# KiCad board Eclipse65.kicad_pcb (continued)
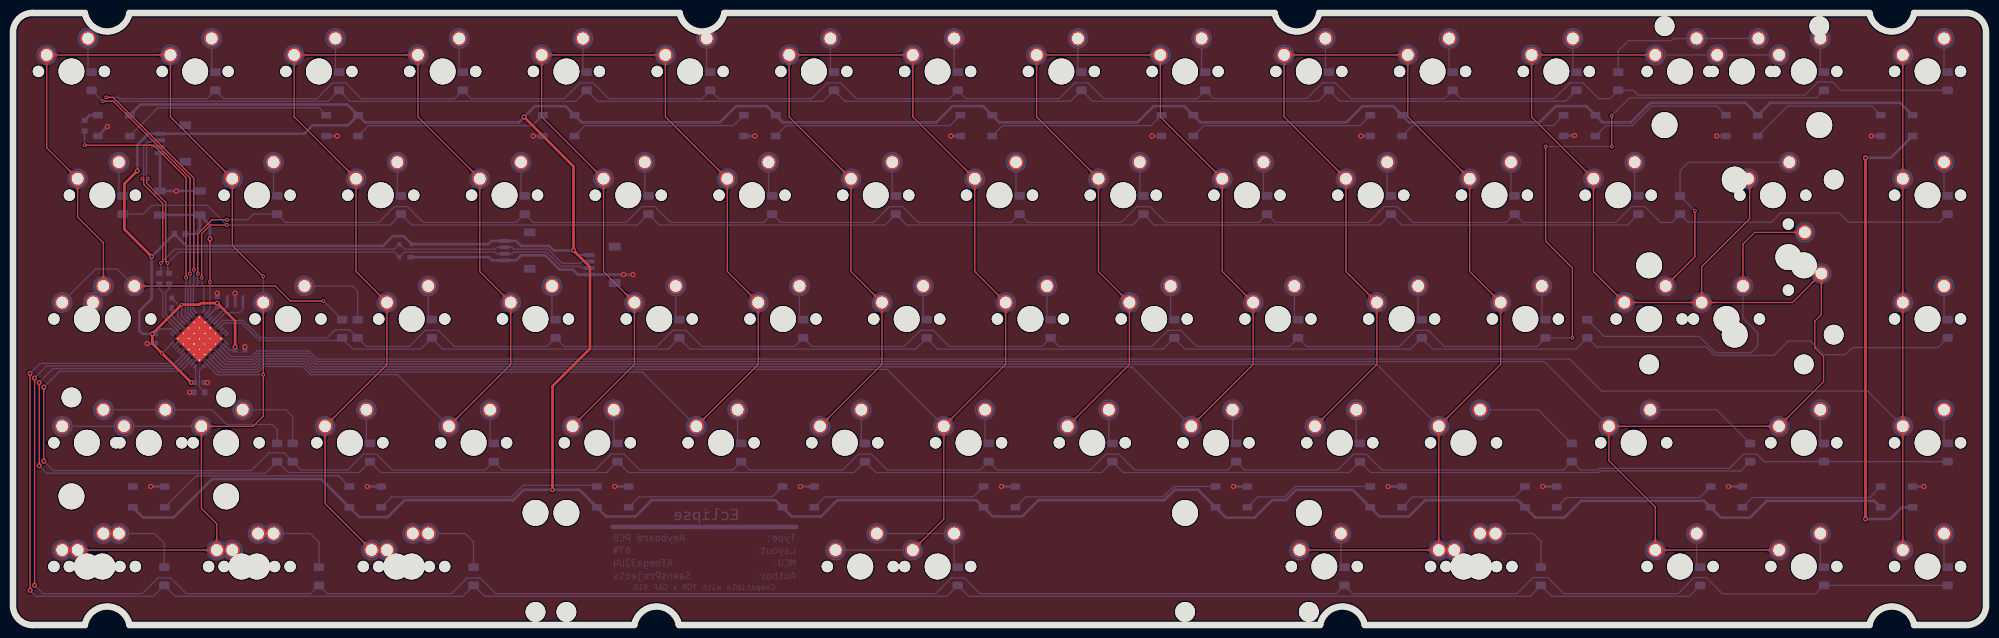
[diagram p0: board, top side]
## Copper pours and planes (outline as drawn; the poured copper is in the pictures) (continued)
R5 on Bottom: 122.55,43.43 122.2,44.4 121.42,44.41 121.44,43.63 122.41,43.29
R5 on Bottom: 120.87,43.29 121.83,43.63 121.85,44.41 121.07,44.4 120.72,43.43
R5 on Bottom: 84.45,43.43 84.1,44.4 83.32,44.41 83.34,43.63 84.31,43.29
R5 on Bottom: 82.77,43.29 83.73,43.63 83.75,44.41 82.97,44.4 82.62,43.43
R5 on Bottom: 53.97,43.43 53.62,44.4 52.84,44.41 52.86,43.63 53.82,43.29
R5 on Bottom: 52.14,44.97 52.49,44 53.27,43.99 53.25,44.77 52.28,45.11
R5 on Bottom: 237.13,44.3 236.2,44.74 235.64,44.2 236.2,43.66 237.13,44.1
R5 on Bottom: 278.03,81.39 279,81.73 279.01,82.51 278.23,82.5 277.89,81.53
R6 on Bottom: 39.9,24.24 40.87,24.58 40.89,25.36 40.11,25.35 39.76,24.38
R6 on Bottom: 266.67,24.24 267.64,24.58 267.66,25.36 266.88,25.35 266.53,24.38
R6 on Bottom: 208.27,24.38 207.93,25.35 207.15,25.36 207.16,24.58 208.13,24.24
R6 on Bottom: 206.59,24.24 207.56,24.58 207.57,25.36 206.79,25.35 206.45,24.38
R6 on Bottom: 168.49,24.24 169.46,24.58 169.47,25.36 168.69,25.35 168.35,24.38
R6 on Bottom: 130.39,24.24 131.36,24.58 131.37,25.36 130.59,25.35 130.25,24.38
R6 on Bottom: 170.17,24.38 169.83,25.35 169.05,25.36 169.06,24.58 170.03,24.24
R6 on Bottom: 132.07,24.38 131.73,25.35 130.95,25.36 130.96,24.58 131.93,24.24
R6 on Bottom: 93.97,24.38 93.63,25.35 92.85,25.36 92.86,24.58 93.83,24.24
R6 on Bottom: 92.29,24.24 93.26,24.58 93.27,25.36 92.49,25.35 92.15,24.38
R6 on Bottom: 54.19,24.24 55.16,24.58 55.17,25.36 54.39,25.35 54.05,24.38
R6 on Bottom: 41.59,24.38 41.24,25.35 40.46,25.36 40.48,24.58 41.44,24.24
R6 on Bottom: 55.87,24.38 55.53,25.35 54.75,25.36 54.76,24.58 55.73,24.24
R7 on Bottom: 279.99,25.25 279.06,25.69 278.5,25.15 279.06,24.61 279.99,25.05
R7 on Bottom: 296.66,25.05 297.59,24.61 298.15,25.15 297.59,25.69 296.66,25.25
R7 on Bottom: 42.14,25.92 42.49,24.95 43.27,24.94 43.25,25.72 42.28,26.06
R7 on Bottom: 277.61,25.05 278.54,24.61 279.1,25.15 278.54,25.69 277.61,25.25
R7 on Bottom: 240.89,24.38 240.55,25.35 239.77,25.36 239.78,24.58 240.75,24.24
R7 on Bottom: 239.21,24.24 240.18,24.58 240.19,25.36 239.41,25.35 239.07,24.38
R7 on Bottom: 189.22,24.38 188.88,25.35 188.1,25.36 188.11,24.58 189.08,24.24
R7 on Bottom: 151.12,24.38 150.78,25.35 150,25.36 150.01,24.58 150.98,24.24
R7 on Bottom: 113.02,24.38 112.68,25.35 111.9,25.36 111.91,24.58 112.88,24.24
R7 on Bottom: 187.54,24.24 188.51,24.58 188.52,25.36 187.74,25.35 187.4,24.38
R7 on Bottom: 149.44,24.24 150.41,24.58 150.42,25.36 149.64,25.35 149.3,24.38
R7 on Bottom: 111.34,24.24 112.31,24.58 112.32,25.36 111.54,25.35 111.2,24.38
R7 on Bottom: 74.92,24.38 74.58,25.35 73.8,25.36 73.81,24.58 74.78,24.24
R7 on Bottom: 73.24,24.24 74.21,24.58 74.22,25.36 73.44,25.35 73.1,24.38
R7 on Bottom: 43.97,24.38 43.62,25.35 42.84,25.36 42.86,24.58 43.83,24.24
R8 on Bottom: 146.36,5.33 146.02,6.3 145.24,6.31 145.25,5.53 146.22,5.19
R8 on Bottom: 234.45,5.19 235.42,5.53 235.43,6.31 234.65,6.3 234.31,5.33
R8 on Bottom: 236.13,5.33 235.79,6.3 235.01,6.31 235.02,5.53 235.99,5.19
R8 on Bottom: 258.98,5.19 259.95,5.53 259.96,6.31 259.18,6.3 258.84,5.33
R8 on Bottom: 22.52,5.19 23.48,5.53 23.5,6.31 22.72,6.3 22.38,5.33
R8 on Bottom: 71.82,5.33 71.48,6.3 70.7,6.31 70.72,5.53 71.68,5.19
R8 on Bottom: 144.68,5.19 145.65,5.53 145.66,6.31 144.88,6.3 144.54,5.33
R8 on Bottom: 70.14,5.19 71.11,5.53 71.12,6.31 70.35,6.3 70,5.33
R8 on Bottom: 24.2,5.33 23.85,6.3 23.08,6.31 23.09,5.53 24.06,5.19
R9 on Bottom: 205.89,5.33 205.55,6.3 204.77,6.31 204.78,5.53 205.75,5.19
R9 on Bottom: 278.03,5.19 279,5.53 279.01,6.31 278.23,6.3 277.89,5.33
R9 on Bottom: 279.99,6.2 279.06,6.64 278.5,6.1 279.06,5.56 279.99,6
R9 on Bottom: 296.66,6 297.59,5.56 298.15,6.1 297.59,6.64 296.66,6.2
R9 on Bottom: 48.01,5.33 47.67,6.3 46.89,6.31 46.9,5.53 47.87,5.19
R9 on Bottom: 204.21,5.19 205.18,5.53 205.19,6.31 204.41,6.3 204.07,5.33
R9 on Bottom: 46.33,5.19 47.3,5.53 47.31,6.31 46.53,6.3 46.19,5.33
RGB on Bottom: 12.09,78.27 12.86,78.02 13.33,78.47 12.86,78.92 12.09,78.67
Net-(D1-Pad2) on Bottom: 11.64,87.09 11.64,87.23 11.65,87.35 11.66,87.47 11.68,87.58 11.7,87.69 11.73,87.78 11.76,87.87 11.79,87.96 11.83,88.04 11.86,88.11 11.91,88.18 11.95,88.25 12,88.32 12.05,88.38 12.1,88.44 12.16,88.5 12.45,88.81 12.51,88.88 12.57,88.95 12.63,89.02 12.69,89.1 12.75,89.19 12.81,89.27 12.87,89.37 12.92,89.47 12.98,89.58 11.54,91.08 10.1,89.58 10.16,89.47 10.21,89.37 10.27,89.27 10.33,89.19 10.39,89.1 10.45,89.02 10.51,88.95 10.57,88.88 10.63,88.81 10.92,88.5 10.98,88.44 11.03,88.38 11.08,88.32 11.13,88.25 11.17,88.18 11.22,88.11 11.25,88.04 11.29,87.96 11.32,87.87 11.35,87.78 11.38,87.69 11.4,87.58 11.42,87.47 11.43,87.35 11.44,87.23 11.44,87.09
Net-(D1-Pad2) on Bottom: 11.64,87.89 11.64,87.99 11.65,88.09 11.66,88.18 11.67,88.26 11.68,88.34 11.7,88.41 11.72,88.48 11.75,88.54 11.77,88.6 11.8,88.65 11.83,88.71 11.87,88.76 11.9,88.81 11.94,88.86 12.32,89.28 12.36,89.34 12.41,89.4 12.45,89.46 12.49,89.53 12.54,89.6 12.58,89.68 12.62,89.76 11.54,90.88 10.46,89.76 10.5,89.68 10.54,89.6 10.59,89.53 10.63,89.46 10.67,89.4 10.72,89.34 10.76,89.28 11.14,88.86 11.18,88.81 11.21,88.76 11.25,88.71 11.28,88.65 11.31,88.6 11.33,88.54 11.36,88.48 11.38,88.41 11.4,88.34 11.41,88.26 11.42,88.18 11.43,88.09 11.44,87.99 11.44,87.89
Net-(D2-Pad2) on Bottom: 30.69,87.09 30.69,87.23 30.7,87.35 30.71,87.47 30.73,87.58 30.75,87.69 30.78,87.78 30.81,87.87 30.84,87.96 30.88,88.04 30.91,88.11 30.96,88.18 31,88.25 31.05,88.32 31.1,88.38 31.15,88.44 31.21,88.5 31.5,88.81 31.56,88.88 31.62,88.95 31.68,89.02 31.74,89.1 31.8,89.19 31.86,89.27 31.92,89.37 31.97,89.47 32.03,89.58 30.59,91.08 29.15,89.58 29.21,89.47 29.26,89.37 29.32,89.27 29.38,89.19 29.44,89.1 29.5,89.02 29.56,88.95 29.62,88.88 29.68,88.81 29.97,88.5 30.03,88.44 30.08,88.38 30.13,88.32 30.18,88.25 30.22,88.18 30.27,88.11 30.3,88.04 30.34,87.96 30.37,87.87 30.4,87.78 30.43,87.69 30.45,87.58 30.47,87.47 30.48,87.35 30.49,87.23 30.49,87.09
Net-(D2-Pad2) on Bottom: 30.69,87.89 30.69,87.99 30.7,88.09 30.71,88.18 30.72,88.26 30.73,88.34 30.75,88.41 30.77,88.48 30.8,88.54 30.82,88.6 30.85,88.65 30.88,88.71 30.92,88.76 30.95,88.81 30.99,88.86 31.37,89.28 31.41,89.34 31.46,89.4 31.5,89.46 31.54,89.53 31.59,89.6 31.63,89.68 31.67,89.76 30.59,90.88 29.51,89.76 29.55,89.68 29.59,89.6 29.64,89.53 29.68,89.46 29.72,89.4 29.77,89.34 29.81,89.28 30.19,88.86 30.23,88.81 30.26,88.76 30.3,88.71 30.33,88.65 30.36,88.6 30.38,88.54 30.41,88.48 30.43,88.41 30.45,88.34 30.46,88.26 30.47,88.18 30.48,88.09 30.49,87.99 30.49,87.89
Net-(D3-Pad2) on Bottom: 49.74,87.09 49.74,87.23 49.75,87.35 49.76,87.47 49.78,87.58 49.8,87.69 49.83,87.78 49.86,87.87 49.89,87.96 49.93,88.04 49.96,88.11 50.01,88.18 50.05,88.25 50.1,88.32 50.15,88.38 50.2,88.44 50.26,88.5 50.55,88.81 50.61,88.88 50.67,88.95 50.73,89.02 50.79,89.1 50.85,89.19 50.91,89.27 50.97,89.37 51.02,89.47 51.08,89.58 49.64,91.08 48.2,89.58 48.26,89.47 48.31,89.37 48.37,89.27 48.43,89.19 48.49,89.1 48.55,89.02 48.61,88.95 48.67,88.88 48.73,88.81 49.02,88.5 49.08,88.44 49.13,88.38 49.18,88.32 49.23,88.25 49.27,88.18 49.32,88.11 49.35,88.04 49.39,87.96 49.42,87.87 49.45,87.78 49.48,87.69 49.5,87.58 49.52,87.47 49.53,87.35 49.54,87.23 49.54,87.09
Net-(D3-Pad2) on Bottom: 49.74,87.89 49.74,87.99 49.75,88.09 49.76,88.18 49.77,88.26 49.78,88.34 49.8,88.41 49.82,88.48 49.85,88.54 49.87,88.6 49.9,88.65 49.93,88.71 49.97,88.76 50,88.81 50.04,88.86 50.42,89.28 50.46,89.34 50.51,89.4 50.55,89.46 50.59,89.53 50.64,89.6 50.68,89.68 50.72,89.76 49.64,90.88 48.56,89.76 48.6,89.68 48.64,89.6 48.69,89.53 48.73,89.46 48.77,89.4 48.82,89.34 48.86,89.28 49.24,88.86 49.28,88.81 49.31,88.76 49.35,88.71 49.38,88.65 49.41,88.6 49.43,88.54 49.46,88.48 49.48,88.41 49.5,88.34 49.51,88.26 49.52,88.18 49.53,88.09 49.54,87.99 49.54,87.89
Net-(D4-Pad2) on Bottom: 68.79,87.09 68.79,87.23 68.8,87.35 68.81,87.47 68.83,87.58 68.85,87.69 68.88,87.78 68.91,87.87 68.94,87.96 68.98,88.04 69.01,88.11 69.06,88.18 69.1,88.25 69.15,88.32 69.2,88.38 69.25,88.44 69.31,88.5 69.6,88.81 69.66,88.88 69.72,88.95 69.78,89.02 69.84,89.1 69.9,89.19 69.96,89.27 70.02,89.37 70.07,89.47 70.13,89.58 68.69,91.08 67.25,89.58 67.31,89.47 67.36,89.37 67.42,89.27 67.48,89.19 67.54,89.1 67.6,89.02 67.66,88.95 67.72,88.88 67.78,88.81 68.07,88.5 68.13,88.44 68.18,88.38 68.23,88.32 68.28,88.25 68.32,88.18 68.37,88.11 68.4,88.04 68.44,87.96 68.47,87.87 68.5,87.78 68.53,87.69 68.55,87.58 68.57,87.47 68.58,87.35 68.59,87.23 68.59,87.09
Net-(D4-Pad2) on Bottom: 68.79,87.89 68.79,87.99 68.8,88.09 68.81,88.18 68.82,88.26 68.83,88.34 68.85,88.41 68.87,88.48 68.9,88.54 68.92,88.6 68.95,88.65 68.98,88.71 69.02,88.76 69.05,88.81 69.09,88.86 69.47,89.28 69.51,89.34 69.56,89.4 69.6,89.46 69.64,89.53 69.69,89.6 69.73,89.68 69.77,89.76 68.69,90.88 67.61,89.76 67.65,89.68 67.69,89.6 67.74,89.53 67.78,89.46 67.82,89.4 67.87,89.34 67.91,89.28 68.29,88.86 68.33,88.81 68.36,88.76 68.4,88.71 68.43,88.65 68.46,88.6 68.48,88.54 68.51,88.48 68.53,88.41 68.55,88.34 68.56,88.26 68.57,88.18 68.58,88.09 68.59,87.99 68.59,87.89
Net-(D5-Pad2) on Bottom: 87.84,87.09 87.84,87.23 87.85,87.35 87.86,87.47 87.88,87.58 87.9,87.69 87.93,87.78 87.96,87.87 87.99,87.96 88.03,88.04 88.06,88.11 88.11,88.18 88.15,88.25 88.2,88.32 88.25,88.38 88.3,88.44 88.36,88.5 88.65,88.81 88.71,88.88 88.77,88.95 88.83,89.02 88.89,89.1 88.95,89.19 89.01,89.27 89.07,89.37 89.12,89.47 89.18,89.58 87.74,91.08 86.3,89.58 86.36,89.47 86.41,89.37 86.47,89.27 86.53,89.19 86.59,89.1 86.65,89.02 86.71,88.95 86.77,88.88 86.83,88.81 87.12,88.5 87.18,88.44 87.23,88.38 87.28,88.32 87.33,88.25 87.37,88.18 87.42,88.11 87.45,88.04 87.49,87.96 87.52,87.87 87.55,87.78 87.58,87.69 87.6,87.58 87.62,87.47 87.63,87.35 87.64,87.23 87.64,87.09
Net-(D5-Pad2) on Bottom: 87.84,87.89 87.84,87.99 87.85,88.09 87.86,88.18 87.87,88.26 87.88,88.34 87.9,88.41 87.92,88.48 87.95,88.54 87.97,88.6 88,88.65 88.03,88.71 88.07,88.76 88.1,88.81 88.14,88.86 88.52,89.28 88.56,89.34 88.61,89.4 88.65,89.46 88.69,89.53 88.74,89.6 88.78,89.68 88.82,89.76 87.74,90.88 86.66,89.76 86.7,89.68 86.74,89.6 86.79,89.53 86.83,89.46 86.87,89.4 86.92,89.34 86.96,89.28 87.34,88.86 87.38,88.81 87.41,88.76 87.45,88.71 87.48,88.65 87.51,88.6 87.53,88.54 87.56,88.48 87.58,88.41 87.6,88.34 87.61,88.26 87.62,88.18 87.63,88.09 87.64,87.99 87.64,87.89
Net-(D6-Pad2) on Bottom: 106.89,87.09 106.89,87.23 106.9,87.35 106.91,87.47 106.93,87.58 106.95,87.69 106.98,87.78 107.01,87.87 107.04,87.96 107.08,88.04 107.11,88.11 107.16,88.18 107.2,88.25 107.25,88.32 107.3,88.38 107.35,88.44 107.41,88.5 107.7,88.81 107.76,88.88 107.82,88.95 107.88,89.02 107.94,89.1 108,89.19 108.06,89.27 108.12,89.37 108.17,89.47 108.23,89.58 106.79,91.08 105.35,89.58 105.41,89.47 105.46,89.37 105.52,89.27 105.58,89.19 105.64,89.1 105.7,89.02 105.76,88.95 105.82,88.88 105.88,88.81 106.17,88.5 106.23,88.44 106.28,88.38 106.33,88.32 106.38,88.25 106.42,88.18 106.47,88.11 106.5,88.04 106.54,87.96 106.57,87.87 106.6,87.78 106.63,87.69 106.65,87.58 106.67,87.47 106.68,87.35 106.69,87.23 106.69,87.09
Net-(D6-Pad2) on Bottom: 106.89,87.89 106.89,87.99 106.9,88.09 106.91,88.18 106.92,88.26 106.93,88.34 106.95,88.41 106.97,88.48 107,88.54 107.02,88.6 107.05,88.65 107.08,88.71 107.12,88.76 107.15,88.81 107.19,88.86 107.57,89.28 107.61,89.34 107.66,89.4 107.7,89.46 107.74,89.53 107.79,89.6 107.83,89.68 107.87,89.76 106.79,90.88 105.71,89.76 105.75,89.68 105.79,89.6 105.84,89.53 105.88,89.46 105.92,89.4 105.97,89.34 106.01,89.28 106.39,88.86 106.43,88.81 106.46,88.76 106.5,88.71 106.53,88.65 106.56,88.6 106.58,88.54 106.61,88.48 106.63,88.41 106.65,88.34 106.66,88.26 106.67,88.18 106.68,88.09 106.69,87.99 106.69,87.89
Net-(D7-Pad2) on Bottom: 125.94,87.09 125.94,87.23 125.95,87.35 125.96,87.47 125.98,87.58 126,87.69 126.03,87.78 126.06,87.87 126.09,87.96 126.13,88.04 126.16,88.11 126.21,88.18 126.25,88.25 126.3,88.32 126.35,88.38 126.4,88.44 126.46,88.5 126.75,88.81 126.81,88.88 126.87,88.95 126.93,89.02 126.99,89.1 127.05,89.19 127.11,89.27 127.17,89.37 127.22,89.47 127.28,89.58 125.84,91.08 124.4,89.58 124.46,89.47 124.51,89.37 124.57,89.27 124.63,89.19 124.69,89.1 124.75,89.02 124.81,88.95 124.87,88.88 124.93,88.81 125.22,88.5 125.28,88.44 125.33,88.38 125.38,88.32 125.43,88.25 125.47,88.18 125.52,88.11 125.55,88.04 125.59,87.96 125.62,87.87 125.65,87.78 125.68,87.69 125.7,87.58 125.72,87.47 125.73,87.35 125.74,87.23 125.74,87.09
Net-(D7-Pad2) on Bottom: 125.94,87.89 125.94,87.99 125.95,88.09 125.96,88.18 125.97,88.26 125.98,88.34 126,88.41 126.02,88.48 126.05,88.54 126.07,88.6 126.1,88.65 126.13,88.71 126.17,88.76 126.2,88.81 126.24,88.86 126.62,89.28 126.66,89.34 126.71,89.4 126.75,89.46 126.79,89.53 126.84,89.6 126.88,89.68 126.92,89.76 125.84,90.88 124.76,89.76 124.8,89.68 124.84,89.6 124.89,89.53 124.93,89.46 124.97,89.4 125.02,89.34 125.06,89.28 125.44,88.86 125.48,88.81 125.51,88.76 125.55,88.71 125.58,88.65 125.61,88.6 125.63,88.54 125.66,88.48 125.68,88.41 125.7,88.34 125.71,88.26 125.72,88.18 125.73,88.09 125.74,87.99 125.74,87.89
Net-(D8-Pad2) on Bottom: 144.99,87.09 144.99,87.23 145,87.35 145.01,87.47 145.03,87.58 145.05,87.69 145.08,87.78 145.11,87.87 145.14,87.96 145.18,88.04 145.21,88.11 145.26,88.18 145.3,88.25 145.35,88.32 145.4,88.38 145.45,88.44 145.51,88.5 145.8,88.81 145.86,88.88 145.92,88.95 145.98,89.02 146.04,89.1 146.1,89.19 146.16,89.27 146.22,89.37 146.27,89.47 146.33,89.58 144.89,91.08 143.45,89.58 143.51,89.47 143.56,89.37 143.62,89.27 143.68,89.19 143.74,89.1 143.8,89.02 143.86,88.95 143.92,88.88 143.98,88.81 144.27,88.5 144.33,88.44 144.38,88.38 144.43,88.32 144.48,88.25 144.52,88.18 144.57,88.11 144.6,88.04 144.64,87.96 144.67,87.87 144.7,87.78 144.73,87.69 144.75,87.58 144.77,87.47 144.78,87.35 144.79,87.23 144.79,87.09
Net-(D8-Pad2) on Bottom: 144.99,87.89 144.99,87.99 145,88.09 145.01,88.18 145.02,88.26 145.03,88.34 145.05,88.41 145.07,88.48 145.1,88.54 145.12,88.6 145.15,88.65 145.18,88.71 145.22,88.76 145.25,88.81 145.29,88.86 145.67,89.28 145.71,89.34 145.76,89.4 145.8,89.46 145.84,89.53 145.89,89.6 145.93,89.68 145.97,89.76 144.89,90.88 143.81,89.76 143.85,89.68 143.89,89.6 143.94,89.53 143.98,89.46 144.02,89.4 144.07,89.34 144.11,89.28 144.49,88.86 144.53,88.81 144.56,88.76 144.6,88.71 144.63,88.65 144.66,88.6 144.68,88.54 144.71,88.48 144.73,88.41 144.75,88.34 144.76,88.26 144.77,88.18 144.78,88.09 144.79,87.99 144.79,87.89
Net-(D9-Pad2) on Bottom: 164.04,87.09 164.04,87.23 164.05,87.35 164.06,87.47 164.08,87.58 164.1,87.69 164.13,87.78 164.16,87.87 164.19,87.96 164.23,88.04 164.26,88.11 164.31,88.18 164.35,88.25 164.4,88.32 164.45,88.38 164.5,88.44 164.56,88.5 164.85,88.81 164.91,88.88 164.97,88.95 165.03,89.02 165.09,89.1 165.15,89.19 165.21,89.27 165.27,89.37 165.32,89.47 165.38,89.58 163.94,91.08 162.5,89.58 162.56,89.47 162.61,89.37 162.67,89.27 162.73,89.19 162.79,89.1 162.85,89.02 162.91,88.95 162.97,88.88 163.03,88.81 163.32,88.5 163.38,88.44 163.43,88.38 163.48,88.32 163.53,88.25 163.57,88.18 163.62,88.11 163.65,88.04 163.69,87.96 163.72,87.87 163.75,87.78 163.78,87.69 163.8,87.58 163.82,87.47 163.83,87.35 163.84,87.23 163.84,87.09
Net-(D9-Pad2) on Bottom: 164.04,87.89 164.04,87.99 164.05,88.09 164.06,88.18 164.07,88.26 164.08,88.34 164.1,88.41 164.12,88.48 164.15,88.54 164.17,88.6 164.2,88.65 164.23,88.71 164.27,88.76 164.3,88.81 164.34,88.86 164.72,89.28 164.76,89.34 164.81,89.4 164.85,89.46 164.89,89.53 164.94,89.6 164.98,89.68 165.02,89.76 163.94,90.88 162.86,89.76 162.9,89.68 162.94,89.6 162.99,89.53 163.03,89.46 163.07,89.4 163.12,89.34 163.16,89.28 163.54,88.86 163.58,88.81 163.61,88.76 163.65,88.71 163.68,88.65 163.71,88.6 163.73,88.54 163.76,88.48 163.78,88.41 163.8,88.34 163.81,88.26 163.82,88.18 163.83,88.09 163.84,87.99 163.84,87.89
Net-(D10-Pad2) on Bottom: 183.09,87.09 183.09,87.23 183.1,87.35 183.11,87.47 183.13,87.58 183.15,87.69 183.18,87.78 183.21,87.87 183.24,87.96 183.28,88.04 183.31,88.11 183.36,88.18 183.4,88.25 183.45,88.32 183.5,88.38 183.55,88.44 183.61,88.5 183.9,88.81 183.96,88.88 184.02,88.95 184.08,89.02 184.14,89.1 184.2,89.19 184.26,89.27 184.32,89.37 184.37,89.47 184.43,89.58 182.99,91.08 181.55,89.58 181.61,89.47 181.66,89.37 181.72,89.27 181.78,89.19 181.84,89.1 181.9,89.02 181.96,88.95 182.02,88.88 182.08,88.81 182.37,88.5 182.43,88.44 182.48,88.38 182.53,88.32 182.58,88.25 182.62,88.18 182.67,88.11 182.7,88.04 182.74,87.96 182.77,87.87 182.8,87.78 182.83,87.69 182.85,87.58 182.87,87.47 182.88,87.35 182.89,87.23 182.89,87.09
Net-(D10-Pad2) on Bottom: 183.09,87.89 183.09,87.99 183.1,88.09 183.11,88.18 183.12,88.26 183.13,88.34 183.15,88.41 183.17,88.48 183.2,88.54 183.22,88.6 183.25,88.65 183.28,88.71 183.32,88.76 183.35,88.81 183.39,88.86 183.77,89.28 183.81,89.34 183.86,89.4 183.9,89.46 183.94,89.53 183.99,89.6 184.03,89.68 184.07,89.76 182.99,90.88 181.91,89.76 181.95,89.68 181.99,89.6 182.04,89.53 182.08,89.46 182.12,89.4 182.17,89.34 182.21,89.28 182.59,88.86 182.63,88.81 182.66,88.76 182.7,88.71 182.73,88.65 182.76,88.6 182.78,88.54 182.81,88.48 182.83,88.41 182.85,88.34 182.86,88.26 182.87,88.18 182.88,88.09 182.89,87.99 182.89,87.89
Net-(D11-Pad2) on Bottom: 202.14,87.09 202.14,87.23 202.15,87.35 202.16,87.47 202.18,87.58 202.2,87.69 202.23,87.78 202.26,87.87 202.29,87.96 202.33,88.04 202.36,88.11 202.41,88.18 202.45,88.25 202.5,88.32 202.55,88.38 202.6,88.44 202.66,88.5 202.95,88.81 203.01,88.88 203.07,88.95 203.13,89.02 203.19,89.1 203.25,89.19 203.31,89.27 203.37,89.37 203.42,89.47 203.48,89.58 202.04,91.08 200.6,89.58 200.66,89.47 200.71,89.37 200.77,89.27 200.83,89.19 200.89,89.1 200.95,89.02 201.01,88.95 201.07,88.88 201.13,88.81 201.42,88.5 201.48,88.44 201.53,88.38 201.58,88.32 201.63,88.25 201.67,88.18 201.72,88.11 201.75,88.04 201.79,87.96 201.82,87.87 201.85,87.78 201.88,87.69 201.9,87.58 201.92,87.47 201.93,87.35 201.94,87.23 201.94,87.09
Net-(D11-Pad2) on Bottom: 202.14,87.89 202.14,87.99 202.15,88.09 202.16,88.18 202.17,88.26 202.18,88.34 202.2,88.41 202.22,88.48 202.25,88.54 202.27,88.6 202.3,88.65 202.33,88.71 202.37,88.76 202.4,88.81 202.44,88.86 202.82,89.28 202.86,89.34 202.91,89.4 202.95,89.46 202.99,89.53 203.04,89.6 203.08,89.68 203.12,89.76 202.04,90.88 200.96,89.76 201,89.68 201.04,89.6 201.09,89.53 201.13,89.46 201.17,89.4 201.22,89.34 201.26,89.28 201.64,88.86 201.68,88.81 201.71,88.76 201.75,88.71 201.78,88.65 201.81,88.6 201.83,88.54 201.86,88.48 201.88,88.41 201.9,88.34 201.91,88.26 201.92,88.18 201.93,88.09 201.94,87.99 201.94,87.89
Net-(D12-Pad2) on Bottom: 221.19,87.09 221.19,87.23 221.2,87.35 221.21,87.47 221.23,87.58 221.25,87.69 221.28,87.78 221.31,87.87 221.34,87.96 221.38,88.04 221.41,88.11 221.46,88.18 221.5,88.25 221.55,88.32 221.6,88.38 221.65,88.44 221.71,88.5 222,88.81 222.06,88.88 222.12,88.95 222.18,89.02 222.24,89.1 222.3,89.19 222.36,89.27 222.42,89.37 222.47,89.47 222.53,89.58 221.09,91.08 219.65,89.58 219.71,89.47 219.76,89.37 219.82,89.27 219.88,89.19 219.94,89.1 220,89.02 220.06,88.95 220.12,88.88 220.18,88.81 220.47,88.5 220.53,88.44 220.58,88.38 220.63,88.32 220.68,88.25 220.72,88.18 220.77,88.11 220.8,88.04 220.84,87.96 220.87,87.87 220.9,87.78 220.93,87.69 220.95,87.58 220.97,87.47 220.98,87.35 220.99,87.23 220.99,87.09
Net-(D12-Pad2) on Bottom: 221.19,87.89 221.19,87.99 221.2,88.09 221.21,88.18 221.22,88.26 221.23,88.34 221.25,88.41 221.27,88.48 221.3,88.54 221.32,88.6 221.35,88.65 221.38,88.71 221.42,88.76 221.45,88.81 221.49,88.86 221.87,89.28 221.91,89.34 221.96,89.4 222,89.46 222.04,89.53 222.09,89.6 222.13,89.68 222.17,89.76 221.09,90.88 220.01,89.76 220.05,89.68 220.09,89.6 220.14,89.53 220.18,89.46 220.22,89.4 220.27,89.34 220.31,89.28 220.69,88.86 220.73,88.81 220.76,88.76 220.8,88.71 220.83,88.65 220.86,88.6 220.88,88.54 220.91,88.48 220.93,88.41 220.95,88.34 220.96,88.26 220.97,88.18 220.98,88.09 220.99,87.99 220.99,87.89
Net-(D13-Pad2) on Bottom: 240.24,87.09 240.24,87.23 240.25,87.35 240.26,87.47 240.28,87.58 240.3,87.69 240.33,87.78 240.36,87.87 240.39,87.96 240.43,88.04 240.46,88.11 240.51,88.18 240.55,88.25 240.6,88.32 240.65,88.38 240.7,88.44 240.76,88.5 241.05,88.81 241.11,88.88 241.17,88.95 241.23,89.02 241.29,89.1 241.35,89.19 241.41,89.27 241.47,89.37 241.52,89.47 241.58,89.58 240.14,91.08 238.7,89.58 238.76,89.47 238.81,89.37 238.87,89.27 238.93,89.19 238.99,89.1 239.05,89.02 239.11,88.95 239.17,88.88 239.23,88.81 239.52,88.5 239.58,88.44 239.63,88.38 239.68,88.32 239.73,88.25 239.77,88.18 239.82,88.11 239.85,88.04 239.89,87.96 239.92,87.87 239.95,87.78 239.98,87.69 240,87.58 240.02,87.47 240.03,87.35 240.04,87.23 240.04,87.09
Net-(D13-Pad2) on Bottom: 240.24,87.89 240.24,87.99 240.25,88.09 240.26,88.18 240.27,88.26 240.28,88.34 240.3,88.41 240.32,88.48 240.35,88.54 240.37,88.6 240.4,88.65 240.43,88.71 240.47,88.76 240.5,88.81 240.54,88.86 240.92,89.28 240.96,89.34 241.01,89.4 241.05,89.46 241.09,89.53 241.14,89.6 241.18,89.68 241.22,89.76 240.14,90.88 239.06,89.76 239.1,89.68 239.14,89.6 239.19,89.53 239.23,89.46 239.27,89.4 239.32,89.34 239.36,89.28 239.74,88.86 239.78,88.81 239.81,88.76 239.85,88.71 239.88,88.65 239.91,88.6 239.93,88.54 239.96,88.48 239.98,88.41 240,88.34 240.01,88.26 240.02,88.18 240.03,88.09 240.04,87.99 240.04,87.89
Net-(D14-Pad2) on Bottom: 256,90.18 256.14,90.18 256.26,90.17 256.38,90.16 256.49,90.14 256.6,90.12 256.69,90.09 256.78,90.06 256.87,90.03 256.95,89.99 257.02,89.96 257.09,89.91 257.16,89.87 257.23,89.82 257.29,89.77 257.35,89.72 257.41,89.66 257.72,89.37 257.79,89.31 257.86,89.25 257.93,89.19 258.01,89.13 258.1,89.07 258.18,89.01 258.28,88.95 258.38,88.9 258.49,88.84 259.99,90.28 258.49,91.72 258.38,91.66 258.28,91.61 258.18,91.55 258.1,91.49 258.01,91.43 257.93,91.37 257.86,91.31 257.79,91.25 257.72,91.19 257.41,90.9 257.35,90.84 257.29,90.79 257.23,90.74 257.16,90.69 257.09,90.65 257.02,90.6 256.95,90.57 256.87,90.53 256.78,90.5 256.69,90.47 256.6,90.44 256.49,90.42 256.38,90.4 256.26,90.39 256.14,90.38 256,90.38
Net-(D14-Pad2) on Bottom: 256.8,90.18 256.9,90.18 257,90.17 257.09,90.16 257.17,90.15 257.25,90.14 257.32,90.12 257.39,90.1 257.45,90.07 257.51,90.05 257.56,90.02 257.62,89.99 257.67,89.95 257.72,89.92 257.77,89.88 258.19,89.5 258.25,89.46 258.31,89.41 258.37,89.37 258.44,89.33 258.51,89.28 258.59,89.24 258.67,89.2 259.79,90.28 258.67,91.36 258.59,91.32 258.51,91.28 258.44,91.23 258.37,91.19 258.31,91.15 258.25,91.1 258.19,91.06 257.77,90.68 257.72,90.64 257.67,90.61 257.62,90.57 257.56,90.54 257.51,90.51 257.45,90.49 257.39,90.46 257.32,90.44 257.25,90.42 257.17,90.41 257.09,90.4 257,90.39 256.9,90.38 256.8,90.38
Net-(D14-Pad2) on Bottom: 247.03,86.29 246.59,85.36 247.13,84.8 247.67,85.36 247.23,86.29
Net-(D14-Pad2) on Bottom: 262.38,90.38 262.24,90.38 262.12,90.39 262,90.4 261.89,90.42 261.78,90.44 261.69,90.47 261.6,90.5 261.51,90.53 261.43,90.57 261.36,90.6 261.29,90.65 261.22,90.69 261.15,90.74 261.09,90.79 261.03,90.84 260.97,90.9 260.66,91.19 260.59,91.25 260.52,91.31 260.45,91.37 260.37,91.43 260.28,91.49 260.2,91.55 260.1,91.61 260,91.66 259.89,91.72 258.39,90.28 259.89,88.84 260,88.9 260.1,88.95 260.2,89.01 260.28,89.07 260.37,89.13 260.45,89.19 260.52,89.25 260.59,89.31 260.66,89.37 260.97,89.66 261.03,89.72 261.09,89.77 261.15,89.82 261.22,89.87 261.29,89.91 261.36,89.96 261.43,89.99 261.51,90.03 261.6,90.06 261.69,90.09 261.78,90.12 261.89,90.14 262,90.16 262.12,90.17 262.24,90.18 262.38,90.18
Net-(D14-Pad2) on Bottom: 261.58,90.38 261.48,90.38 261.38,90.39 261.29,90.4 261.21,90.41 261.13,90.42 261.06,90.44 260.99,90.46 260.93,90.49 260.87,90.51 260.82,90.54 260.76,90.57 260.71,90.61 260.66,90.64 260.61,90.68 260.19,91.06 260.13,91.1 260.07,91.15 260.01,91.19 259.94,91.23 259.87,91.28 259.79,91.32 259.71,91.36 258.59,90.28 259.71,89.2 259.79,89.24 259.87,89.28 259.94,89.33 260.01,89.37 260.07,89.41 260.13,89.46 260.19,89.5 260.61,89.88 260.66,89.92 260.71,89.95 260.76,89.99 260.82,90.02 260.87,90.05 260.93,90.07 260.99,90.1 261.06,90.12 261.13,90.14 261.21,90.15 261.29,90.16 261.38,90.17 261.48,90.18 261.58,90.18